# Allegro board IMX7D EVK BOARD REV D_160314.brd (continued)
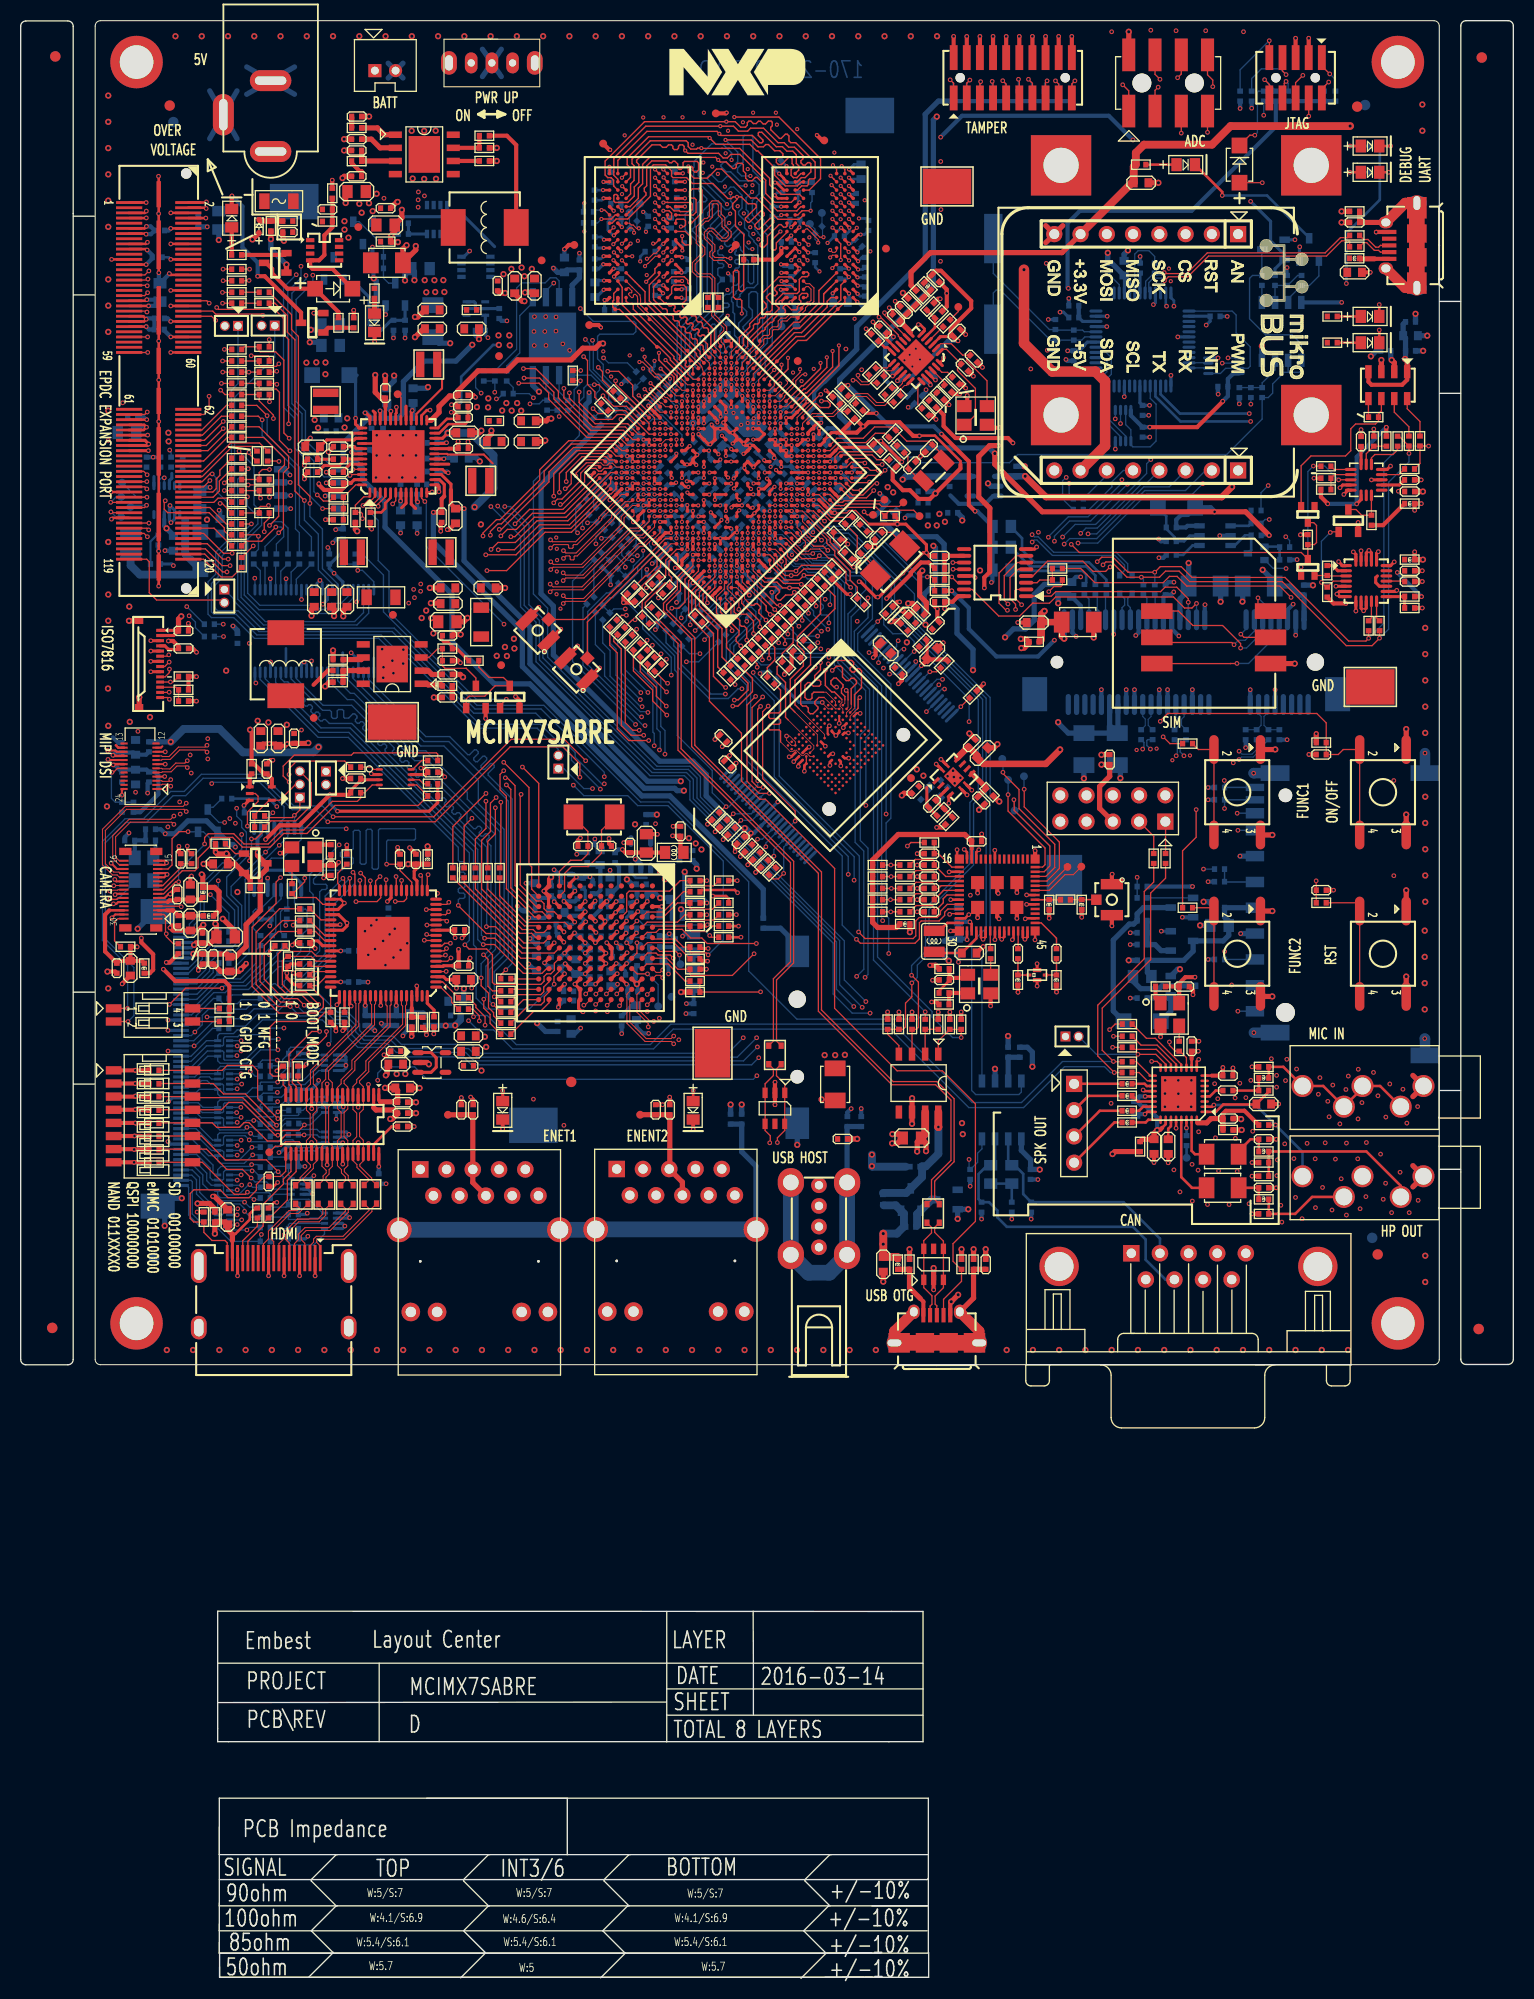
[diagram p0: board, top side]
## Routing (per net, layer and track width the routed paths; a pad name or vN(x,y) marks a point on that pad's centre or on a via; arc(x,y) is an arc through that point) (continued)
HDMI_I2CSDA: length 23.8
  TOP w0.127: U13.48 28.58,98.88 28.13,99.33 26.1,99.33 R581.2 25.56,99.76 24.88,99.08 24.88,96.03 25.82,95.09 27.21,95.09 v1(28.08,94.23) ; U15.18 26.14,86.23 25.94,86.43 25.94,89.38 28.15,91.59 v1(28.92,91.59)
  L6_INT_2 w0.127: v1(28.08,94.23) 28.92,93.39 v1(28.92,91.59)
HDMI_INT_B: length 63.9
  TOP w0.127: U13.52 29.51,96.88 28.66,96.02 R139.1 29.27,94.71 29.27,93.92 28.71,93.36 24.98,93.36 22.39,95.95 22.39,101.67 24.7,103.98 24.7,106.04 v1(25.13,106.47) ; v1(23.56,139.92) 23.56,140.76 24.03,141.24 R429.2
  L3_INT_1 w0.127: v1(23.56,139.92) 23.56,138.6 22.01,137.05 22.01,130.47 21.37,129.84 21.37,128.57 25.15,124.79 25.15,115.74 25.95,114.95 25.95,111.57 26.47,111.05 26.47,107.81 v1(25.13,106.47)
HDMI_IO_SEL: length 3.1
  TOP w0.305: U13.69 37.83,93.84
  TOP w0.406: R134.1 38.88,92.97 R136.2 37.83,92.98 37.83,93.84
HDMI_IOVCC: length 10.6
  TOP w0.305: U13.21 38.33,106.15 38.06,106.42 38.06,107.1 38.23,107.27 C217.1 ; U13.46 29.21,99.88 28.74,100.35 28.15,100.35 C216.1 ; 41.52,96.6 41.18,96.6 40.9,96.88 U13.3
  TOP w0.406: v1(42.15,95.77) 42.15,96.59 C218.1 41.52,96.6 ; v1(28.48,99.61) 27.96,100.14 C216.1
  TOP w0.508: L12.1 C217.1 v2(37.47,107.77)
HDMI_PCLK: length 56.8
  TOP w0.127: U13.22 37.83,106.02 36.7,107.15 C406.2 v1(35.39,107.77)
  BOTTOM w0.127: v1(35.39,107.77) 35.39,109.98 35.52,110.1 38.06,110.1 38.19,110.23 38.19,111.09 38.09,111.19 34.73,111.19 34.61,111.07 34.61,107.41 34.48,107.28 34.12,107.28 34,107.41 34,111.02 33.87,111.14 33.54,111.14 33.41,111.02 33.41,107.89 33.29,107.77 32.96,107.77 32.83,107.89 32.83,110.92 32.7,111.04 32.29,111.04 32.17,110.92 32.17,109.26 31.91,109.01 31.05,109.01 30.92,108.88 30.92,108.55 31.05,108.43 32.07,108.43 32.17,108.32 32.17,107.89 32.04,107.77 31.63,107.77 31.05,107.18 29.2,107.18 28.32,106.31 28.32,105.95 28.45,105.83 29.5,105.83 29.63,105.7 29.63,105.45 29.5,105.32 29.15,105.32 28.92,105.09 28.92,99.38 27.04,97.5 27.04,97.22 26.5,96.69 25.74,96.69 25.49,96.44 25.49,96.06 25.23,95.79 25.05,95.79 24.63,96.21 24.45,96.21 24.23,95.99 24.23,95.79 24.6,95.42 24.6,95.24 R137.2
HDMI_RST_B: length 105.9
  TOP w0.127: U13.51 28.26,97.38 R138.2 28.35,96.69 v1(28.66,96.69) ; v1(96.81,132.86) 96.14,133.53 96.14,134.19 96.29,134.34 U38.2
  L6_INT_2 w0.127: v1(96.81,132.86) 96.81,132.32 97.55,131.58 97.55,124.22 91.25,117.93 90.44,117.93 70.83,98.32 70.83,91.92 v1(69.89,90.98)
  BOTTOM w0.127: v1(69.89,90.98) 68.38,89.47 44.47,89.47 43.6,90.34 36.82,90.34 36.03,91.13 33.34,91.13 32.78,91.69 32.78,92.32 31.66,93.44 30.64,93.44 28.69,95.4 28.69,96.67 v1(28.66,96.69)
HDMI_SAI3_MCLK: length 100.6
  TOP w0.127: v1(27.47,106.42) 27.47,106.06 26.32,104.91 R476.2 26.62,104.54 28.56,104.54 29.22,103.88 U13.38
  L6_INT_2 w0.127: v1(27.47,106.42) 28.21,107.16 30.92,107.16 31.58,107.82 33.23,107.82 33.77,108.35 52.61,108.35 53.05,107.92 58.43,107.92 59.37,108.86 62.37,108.86 63.31,107.92 69.76,107.92 70.85,109.01 78.65,109.01 84.09,114.45 84.09,115.54 88.38,119.83 90,119.83 v1(91.73,121.56)
  BOTTOM w0.127: v1(91.73,121.56) 91.73,123.77 86.42,129.08 86.42,129.3 85.67,130.05 84.35,130.05 83.48,130.93 83.48,131.84 83.32,132 83.32,135.05 81.95,136.42 81.95,136.72 81.16,137.51 80.68,137.51 R111.2
HDMI_SAI3_TXC: length 2.4
  TOP w0.127: U13.45 29.39,100.38 28.51,101.26 R481.2
HDMI_SAI3_TXD: length 2.5
  TOP w0.127: R482.2 29.04,102.38 U13.41
HDMI_SAI3_TXFS: length 2.6
  TOP w0.127: U13.44 29.39,100.88 R484.2
HDMI_V12: length 4.1
  BOTTOM w0.508: v2(42.02,92.17) 41.13,92.17 v2(41.11,92.14) 41.09,92.16 40.2,92.16 L13.2
  BOTTOM w0.635: L11.2 42.55,92.7 v2(42.02,92.17)
HDMI_VSYNC: length 20.8
  TOP w0.127: v1(31.17,106.4) 31.33,106.25 U13.35
  BOTTOM w0.127: v1(31.17,106.4) 29.45,104.68 29.45,99.1 24.5,94.15 22.21,94.15 21.8,93.74 R179.2
HP_DETEC: length 14.4
  TOP w0.254: v1(115.4,84.47) 115.24,84.31 U24.2 ; v1(121.37,82.54) 121.36,82.53 R366.1
  BOTTOM w0.254: v1(115.4,84.47) 119.44,84.47 v1(121.37,82.54) 123.98,79.93 J15.5
HP_L: length 4.6
  TOP w0.254: C274.1 113.58,79.71 113.25,80.04 U24.31
HP_R: length 8.4
  TOP w0.254: U24.29 112.25,77.5 113.29,76.46 C275.1
HPOUTL: length 3.9
  TOP w0.254: C274.2 117.8,80.01 118.95,81.16 C369.1 L25.1
HPOUTR: length 3.1
  TOP w0.254: L26.1 C370.1 C275.2
HSIC_DATA: length 14.2
  TOP w0.127: U7.A12 54.81,131.19 J4.1
HSIC_STROBE: length 15.1
  TOP w0.127: U7.B12 62.36,139.29 54.51,131.44 J5.1
I2C1_SCL: length 99.2
  TOP w0.127: v1(31.85,145.37) 31.94,145.46 U4.46 ; U7.J2 72.46,137.69 72.86,137.3 72.86,136.76 73.93,135.69 v1(74.52,135.69) 75.11,135.69 75.74,136.32 77.47,136.32 R59.2
  L6_INT_2 w0.102: v1(74.52,135.69) 74.52,136.79 73.68,137.64 72,137.64 69.91,139.72 69.68,139.72 69.41,139.45 68.58,139.45 66.1,141.93 66.1,142.42 65.67,142.85 65.67,144.6 64.92,145.36 64.92,147.81 66,148.89 66,149.98 63.46,152.52 63.46,152.93 61.67,154.72 61.65,154.72
  L6_INT_2 w0.127: v1(27.6,164.71) 28.64,163.67 42.38,163.67 42.73,164.03 50.3,164.03 55.48,158.84 56.42,158.84 57.52,157.75 57.52,157.08 59.75,154.86 61.51,154.86 61.65,154.72
  BOTTOM w0.127: v1(27.6,164.71) 27.6,164.36 26.23,162.99 26.23,152.31 27.21,151.33 27.21,148.43 28.95,146.69 28.95,145.63 29.35,145.23 29.86,145.23 30.39,144.7 U41.6 31.17,144.7 v1(31.85,145.37)
I2C1_SDA: length 96.7
  TOP w0.127: U4.45 32.15,145.96 v1(32.14,145.95) ; U7.K1 73.16,137.51 73.16,136.88 73.91,136.13 v1(74.98,136.13) 75.54,136.68 R60.2
  L6_INT_2 w0.102: v1(74.98,136.13) 74.98,136.73 73.68,138.03 72.63,138.03 70.33,140.33 69.64,140.33 68.52,141.45 68.13,141.45 66.04,143.54 66.04,144.55 67.03,145.54 67.03,146.37 66.05,147.35 66.05,148.4 66.46,148.82 66.46,150.56 63.65,153.37 63.46,153.37 61.88,154.95
  L6_INT_2 w0.127: v1(28.26,164.74) 28.76,165.25 45.55,165.25 46.37,166.06 49.47,166.06 50.99,164.53 50.99,163.9 55.66,159.23 56.67,159.23 57.94,157.95 57.94,157.21 59.96,155.19 61.64,155.19 61.88,154.95
  BOTTOM w0.127: v1(28.26,164.74) 28.26,164 26.64,162.38 26.64,152.51 27.55,151.61 27.55,148.76 30.34,145.97 U41.5 32.12,145.97 v1(32.14,145.95)
I2C2_SCL: length 94.6
  TOP w0.102: v1(73.59,137.06) 73.59,137.06 73.54,137.11 73.54,137.67 72.98,138.23 U7.K2
  TOP w0.127: v1(136.17,148.21) R505.1 135.34,146.52 R501.1 ; v1(104.13,137.03) 104.56,137.46 105.65,137.46 107.1,136.01 v1(109.69,136.01) 110.22,136.54 112.25,136.54 113.3,135.5 122.29,135.5 128.44,129.35 130.11,129.35 v1(130.37,129.62) 130.38,129.62 R499.1
  L3_INT_1 w0.102: 76.01,136.21 75.67,136.55 74.77,136.55 74.26,137.06 v1(73.59,137.06)
  L3_INT_1 w0.127: v1(104.13,137.03) 103.75,137.41 92.62,137.41 90.31,135.1 87.03,135.1 86.8,135.32 82.64,135.32 82.03,135.93 76.29,135.93 76.01,136.21
  BOTTOM w0.102: 73.96,135.95 73.59,136.32 v1(73.59,137.06)
  BOTTOM w0.127: v1(136.17,148.21) 133.47,148.21 131.85,146.59 131.85,131.09 v1(130.37,129.62) ; v1(109.69,136.01) 109.7,136 R506.1 ; 73.96,135.95 R61.2
I2C2_SDA: length 93.1
  TOP w0.102: U7.K3 v3(71.91,138.22)
  TOP w0.127: v1(134.28,147.5) 134.27,147.5 134.27,148.21 R503.1 133.32,149.16 R502.1 ; R500.1 v1(131.43,129.63) 130.71,128.9 128.22,128.9 122.02,135.1 113.07,135.1 112.05,136.11 110.73,136.11 110.15,135.53 v1(108.39,135.53) 107,135.53 105.52,137 104.96,137 v1(104.68,136.72)
  L3_INT_1 w0.102: 74.19,135.38 73.47,136.1 73.47,136.56 71.92,138.12 v3(71.92,138.22)
  L3_INT_1 w0.127: 74.19,135.38 74.29,135.28 76.24,135.28 76.52,135.55 81.82,135.55 82.41,134.97 86.58,134.97 86.84,134.71 90.49,134.71 92.65,136.87 98.84,136.87 99.22,136.49 104.46,136.49 v1(104.68,136.72)
  BOTTOM w0.102: v3(71.92,138.22) 73.2,136.94 R62.2
  BOTTOM w0.127: v1(131.43,129.63) 132.31,130.5 132.31,144.71 134.28,146.68 v1(134.28,147.5) ; v1(108.39,135.53) 108.59,135.33 R504.1
I2C3_SCL: length 388.2
  TOP w0.127: R514.1 43.72,93.75 44.36,93.11 v1(44.36,92.6) ; R512.1 22.07,164.2 v1(22.09,164.23) ; v3(70.85,139.28) 70.85,139.28 U7.K5
  L3_INT_1 w0.127: v1(22.09,164.23) 21.56,163.7 18.97,163.7 17.72,162.44 17.72,153.82 16.45,152.55 16.45,146.09 13.4,143.05 13.4,139.26 12.69,138.55 12.69,134.23 13.4,133.52 13.4,123.62 17.46,119.55 17.46,115.84 18.55,114.75 18.55,110.36 19.33,109.58 19.33,106.38 v1(19.11,106.17) 18.96,106.01 18.96,104.72 18.5,104.26 17.44,104.26 15.35,102.18 14.34,102.18 13.58,101.42 13.58,100.45 12.03,98.9 12.03,77.84 19.7,70.17 26.88,70.17 30.16,73.45 30.16,80.82 32.19,82.85 33.72,82.85 38.52,87.65 39.76,87.65 44.36,92.25 v1(44.36,92.6)
  L6_INT_2 w0.127: v1(22.09,164.23) 21.65,164.66 21.65,165.79 22.84,166.97 38.47,166.97 39.18,167.68 51.34,167.68 53.55,165.47 53.55,164.66 58.21,160 80.57,160 95.87,144.7 100.62,144.7 101.1,145.18 v1(101.13,145.18) 101.54,145.18 101.99,144.72 106.03,144.72 107.12,143.63 119.85,143.63 121.74,141.74 121.74,126.6 122.39,125.95 122.39,120.8 118.17,116.58 115.3,116.58 112.71,113.99 112.71,111.08 111.63,110 98.54,110 96.66,111.88 86.77,111.88 81.11,106.22 v1(80.61,106.22)
  BOTTOM w0.102: v3(70.85,139.28) 70.85,138.73 70.48,138.35 70.48,138.06 71.24,137.3 71.24,136.98 71.01,136.75 71.01,136.36 71.61,135.76 71.61,135.27 ; 71.62,133.51 R63.2
  BOTTOM w0.127: R524.1 100.77,143.1 100.77,144.85 101.1,145.18 v1(101.13,145.18) ; 71.62,133.51 71.62,131.5 68.97,128.86 68.97,127.5 72.88,123.59 72.88,116.22 80.62,108.49 80.62,106.22 v1(80.61,106.22) ; 71.61,135.27 71.61,134.07 R63.2 ; v1(19.11,106.17) 19.11,104.9 20.69,103.32 20.69,100.86 R508.1
I2C3_SDA: length 383.1
  TOP w0.127: R510.1 22.13,165.32 v1(22.13,165.32) ; U7.K6 70.32,139.81 v3(70.32,139.81) ; v1(44.92,92.2) 44.92,93.01 44.03,93.9 44.03,94.13 R507.1
  L3_INT_1 w0.127: v1(22.13,165.32) 21.69,164.87 19.38,164.87 17.25,162.74 17.25,153.91 15.99,152.65 15.99,146.25 13.02,143.27 13.02,139.39 12.25,138.63 12.25,133.93 13.04,133.14 13.04,123.08 17,119.12 17,115.67 18.1,114.57 18.1,110.2 18.4,109.9 18.4,104.87 v1(18.35,104.82) 17.51,104.82 15.33,102.63 14.26,102.63 13.14,101.52 13.14,100.58 11.67,99.1 11.67,77.67 19.52,69.82 27.14,69.82 30.57,73.25 30.57,79.44 33.46,82.34 33.9,82.34 38.29,86.73 39.46,86.73 v1(44.92,92.2)
  L6_INT_2 w0.127: v1(22.13,165.32) 23.38,166.57 44.16,166.57 44.87,167.28 51.07,167.28 53.07,165.27 53.07,164.58 58.1,159.55 80.46,159.55 95.67,144.34 101.15,144.34 v1(101.41,144.6) 101.61,144.39 105.83,144.39 107.05,143.17 119.65,143.17 121.26,141.56 121.26,125.68 121.83,125.11 121.83,120.87 118.02,117.06 115.1,117.06 112.26,114.22 112.26,111.37 111.31,110.41 98.87,110.41 96.87,112.41 85.67,112.41 v1(80.04,106.78)
  BOTTOM w0.102: v3(70.32,139.81) 70.32,139.29 69.97,138.93 69.97,138.58 70.18,138.37 70.18,138.09 69.95,137.86 69.95,137.55 70.73,136.77 70.73,136.28 71.25,135.76
  BOTTOM w0.127: R509.1 20.14,103.03 v1(18.35,104.82) ; v1(101.41,144.6) 101.41,143.53 R523.1 ; 71.25,135.76 71.25,133.12 70.96,132.82 R64.2 71.11,132.19 71.11,131.49 68.61,128.99 68.61,127.28 70.6,125.28 70.6,117.95 80.04,108.51 v1(80.04,106.78)
I2C4_SCL: length 274.2
  TOP w0.102: U7.C12 v3(63.43,139.28)
  TOP w0.127: v1(25.96,116.44) 25.96,117 26.7,117.74 31.34,117.74 R516.1 ; R515.1 105.72,88.66 v1(105.7,88.68) 104.61,89.77 104.61,93.85 109.3,98.53 109.3,104.98 110.73,106.42 R518.1
  L3_INT_1 w0.127: v3(63.43,139.28) 62.42,138.27 60.39,138.27 v3(60.21,138.09) 59.42,138.09 58.63,137.31 58.63,137.03 58.94,136.72 58.94,134.33 57.8,133.19 57.8,127.04 56.37,125.62 56.37,121.23 55.54,120.39 55.54,116 47.48,107.94 47.48,98.9 46.24,97.66 46.24,96.82 43.75,94.33 43.75,93.06 v1(43.8,93.01) 43.88,92.93 43.88,92.32 40.52,88.97 39.03,88.97 38.11,88.06 33.64,88.06 30.75,85.16 28.15,85.16 26.66,83.66 26.66,74.06 23.63,71.04 21.02,71.04 18.15,73.91 18.15,75.35 12.76,80.74 12.76,98.34 17.61,103.19 18.63,103.19 19.82,104.39 19.82,105.53 21.25,106.95 21.25,109.59 20.23,110.61 v1(20.23,112.19) 19.37,113.05 19.37,122.14 18.58,122.93 18.58,128.39 19.62,129.43 v1(19.62,129.79)
  L6_INT_2 w0.127: v1(20.23,112.19) 20.28,112.19 20.77,112.67 22.19,112.67 v1(25.96,116.44)
  BOTTOM w0.102: 60.21,137.97 v3(60.21,138.09)
  BOTTOM w0.127: v1(19.62,129.79) R595.1 ; v1(43.8,93.01) 43.93,93.14 45.12,93.14 47.94,90.32 60.9,90.32 62.87,92.29 84.45,92.29 92.02,84.71 96.8,84.71 100.77,88.68 v1(105.7,88.68) ; 60.21,137.97 60.21,137.56 59.26,136.61 59.26,136.35 R337.1 58.51,135.61 R33.2
I2C4_SDA: length 290.6
  TOP w0.102: U7.D12 v3(63.96,139.81)
  TOP w0.127: R519.1 109.59,106.04 108.67,105.12 108.67,98.62 104.18,94.13 104.18,89.21 v1(105.78,87.62) R520.1 ; v1(25.97,115.72) 25.39,116.29 25.39,117.25 26.45,118.32 31.99,118.32 32.2,118.53 40.21,118.53 40.34,118.4 R521.1
  L3_INT_1 w0.102: 61.5,139.27 62.88,139.27 63.43,139.81 v3(63.96,139.81)
  L3_INT_1 w0.127: v1(19.59,130.98) 20.13,130.45 20.13,129.1 18.99,127.96 18.99,123.16 19.75,122.4 19.75,113.51 20.76,112.49 v1(20.76,111.73) 20.76,110.53 21.68,109.62 21.68,106.83 20.26,105.4 20.26,104.23 18.66,102.63 17.64,102.63 13.14,98.14 13.14,81.22 17.18,77.18 17.92,77.18 19.04,76.07 19.04,73.55 21.2,71.39 23.45,71.39 26.2,74.14 26.2,83.84 27.88,85.52 30.44,85.52 33.39,88.46 37.91,88.46 38.8,89.35 40.25,89.35 43.32,92.42 v1(43.32,92.63) 43.32,94.35 45.81,96.84 45.81,97.76 47.09,99.04 47.09,108.08 55.14,116.13 55.14,120.58 56.02,121.46 56.02,125.7 57.44,127.12 57.44,133.32 58.48,134.36 v1(58.48,136.49) 58.25,136.72 58.25,137.59 59.94,139.27 61.5,139.27
  L6_INT_2 w0.127: v1(25.97,115.72) 22.56,112.31 21.35,112.31 v1(20.76,111.73)
  BOTTOM w0.127: v1(43.32,92.63) 44.21,91.74 45.73,91.74 47.56,89.91 61.21,89.91 63.12,91.82 84.11,91.82 91.7,84.22 97,84.22 100.96,88.18 104.83,88.18 105.4,87.62 v1(105.78,87.62) ; R596.1 v1(19.59,130.98) ; R338.1 55.45,136.4 56.48,137.43 56.66,137.43 R34.2 57.41,137.59 57.59,137.59 58.48,136.7 v1(58.48,136.49)
IC_VSEL: length 3
  TOP w0.127: J18.12 15.01,124.89 R489.2 R490.1
IOX_SDI: length 20.2
  TOP w0.102: U7.R2 75.1,140.32 75.53,139.89 75.53,139.7 76.7,138.52
  TOP w0.127: v1(78.07,138.12) 78.04,138.12 77.63,138.52 76.7,138.52 ; v1(90.05,135.55) 90.62,134.99 U38.14
  L6_INT_2 w0.127: v1(78.07,138.12) 78.07,137.59 80.03,135.63 81.82,135.63 82.89,136.7 88.91,136.7 v1(90.05,135.55)
IOX_SHCP: length 19.4
  TOP w0.102: 78.11,139.44 75.61,141.94 U7.T3
  TOP w0.127: 78.11,139.44 78.29,139.25 78.29,138.91 79.06,138.14 79.06,137.81 80.38,136.49 v1(80.55,136.49) ; U38.11 v1(90.16,136.94)
  L6_INT_2 w0.127: v1(90.16,136.94) 89.72,137.38 82.28,137.38 81.32,136.42 80.63,136.42 v1(80.55,136.49)
IOX_STCP: length 19.6
  TOP w0.102: U7.T2 75.63,140.9 76.19,140.34 76.19,139.8 76.53,139.47 77.1,139.47 v1(77.46,139.11)
  TOP w0.127: U38.12 v1(90.18,136.29)
  L6_INT_2 w0.127: v1(77.46,139.11) 77.79,138.78 78.12,138.78 78.8,138.09 78.8,137.51 80.3,136.01 81.65,136.01 82.69,137.05 89.42,137.05 v1(90.18,136.29)
IPOD_RST_B: length 24.3
  TOP w0.127: R496.1 100.75,134.77 100.6,134.62 99.93,134.62 v1(99.44,134.13)
  L6_INT_2 w0.127: J20.8 98.26,119.26 98.26,132.95 v1(99.44,134.13)
JT_PWR: length 3.8
  TOP w0.127: v1(126.62,184.21) 125.85,184.97 J12.1
  BOTTOM w0.127: v1(126.62,184.21) 127.17,183.66 R171.1
JTAG_MOD: length 4.9
  TOP w0.127: R387.2 78.63,139.04 R174.1 78.13,140.35 77.75,140.35 U7.U1
JTAG_TCK: length 75.1
  TOP w0.102: U7.U5 74.57,143 v3(74.57,143)
  TOP w0.127: J12.4 v1(124.58,180.12)
  L3_INT_1 w0.127: v3(74.57,143) 75.1,143 77.72,140.38 83.86,140.38 95.74,152.26 95.74,154.65 100.04,158.95 100.04,164.23 103.85,168.04 103.85,169.23 110.63,176.02 116.22,176.02 119.59,179.39 123.86,179.39 v1(124.58,180.12)
JTAG_TDI: length 75.6
  TOP w0.102: v3(76.16,142.47) 76.16,142.47 U7.U3
  TOP w0.127: J12.8 122.21,182.05 122.21,183.31 v1(122.39,183.48)
  L3_INT_1 w0.127: v1(122.39,183.48) 115.89,176.98 110.3,176.98 104.11,170.8 99.43,170.8 98.49,169.86 98.49,158.68 94.87,155.07 94.87,152.44 83.74,141.3 78.44,141.3 77.87,141.87 76.75,141.87 v3(76.16,142.47)
  BOTTOM w0.127: v1(122.39,183.48) 122.59,183.28 R169.2
JTAG_TDO: length 81
  TOP w0.102: v3(74.57,144.06) 74.57,144.06 U7.U6
  TOP w0.127: J12.6 123.31,183.37 v1(124.01,184.07)
  L3_INT_1 w0.127: v3(74.57,144.06) 75.09,144.06 75.49,143.66 75.77,143.66 76.06,143.96 76.6,143.96 77.79,142.77 84.19,142.77 94.04,152.62 94.04,155.47 97.65,159.07 97.65,170.35 98.95,171.65 103.72,171.65 109.93,177.86 115.42,177.86 116.55,178.99 116.55,181.45 120.31,185.21 122.87,185.21 v1(124.01,184.07)
JTAG_TMS: length 82.7
  TOP w0.102: v3(75.63,143) 75.63,143 U7.U4
  TOP w0.127: v1(126.51,183.42) 125.85,182.76 J12.2
  L3_INT_1 w0.127: v3(75.63,143) 76.16,143 76.82,142.33 84.29,142.33 94.42,152.47 94.42,155.3 98.08,158.96 98.08,170.13 99.12,171.17 103.87,171.17 110.13,177.44 115.68,177.44 117.08,178.83 117.08,181.22 120.61,184.75 122.59,184.75 124.39,182.95 126.05,182.95 v1(126.51,183.42)
  BOTTOM w0.127: R170.2 126.06,182.97 v1(126.51,183.42)
JTAG_TRST_B: length 68.7
  TOP w0.127: v1(77.75,140.95) 77.75,140.94 77.68,140.94 76.68,141.94 U7.U2
  L3_INT_1 w0.127: v1(120.23,180.21) 119.75,180.21 116.04,176.5 110.46,176.5 104.37,170.41 102.07,170.41 101.28,169.63 101.28,166.41 98.92,164.05 98.92,158.49 95.32,154.9 95.32,152.36 83.92,140.95 v1(77.75,140.95)
  BOTTOM w0.127: R172.2 120.23,180.21 v1(120.23,180.21)
LCD1_CLK: length 9.5
  BOTTOM w0.127: J14.32 16.54,92.19 16.98,92.63 16.98,93.11 18.66,94.79 R176.2 19.17,94.7 19.59,94.28 20.97,94.28 21.35,94.66 23.05,94.66 R137.1
LCD1_DATA0: length 113
  TOP w0.102: U7.D21 v3(58.66,145.12)
  L3_INT_1 w0.102: v3(58.66,145.12) 58.15,145.12 56.87,146.4 54,146.4
  L3_INT_1 w0.127: 54,146.4 52.63,146.4 50.28,144.05 50.28,133.7 50.89,133.09 50.89,125.12 43.27,117.5 43.27,113.32 42.38,112.42 42.38,104.44 41.54,103.6 40.93,103.6 39.79,102.46 39.08,102.46 38.14,101.52 38.14,100.17 33.41,95.45 25.64,95.45 23.05,92.86 23.05,83.71 23.18,83.58 23.18,76.68 22.13,75.63 22.13,73.09 v1(23.28,71.95)
  BOTTOM w0.127: v1(23.28,71.95) 23.17,71.85 R196.2 20.32,71.28 19.06,72.54 RN13.1 17.22,72.85 16.24,73.83 16.24,76.5 16.05,76.69 J14.1
LCD1_DATA1: length 108.4
  TOP w0.127: v1(44.98,137.69) 47.91,137.69 50.47,140.25 53.21,140.25 57.02,144.06 U7.A22
  L3_INT_1 w0.127: v1(44.98,137.69) 41.9,134.61 41.9,129.34 34.93,122.37 34.93,111.36 34.34,110.78 34.34,109.23 32.66,107.55 31.7,107.55 29.6,105.45 26.45,105.45 19.24,98.24 19.24,97.02 18.48,96.26 18.48,92.75 17.31,91.59 17.31,78.89 19.49,76.7 19.49,73.63 20.74,72.38 v1(21.88,72.38)
  BOTTOM w0.127: J14.2 16.47,77.19 16.6,77.06 16.6,73.93 17.18,73.35 RN13.3 19.51,73.35 19.65,73.22 19.65,72.64 19.9,72.38 v1(21.88,72.38) 22.13,72.63 R195.2
LCD1_DATA2: length 106.6
  TOP w0.127: U7.B22 57.6,144.07 57.1,143.57 56.97,143.57 53.27,139.88 50.72,139.88 47,136.16 v1(45.1,136.16)
  L3_INT_1 w0.127: v1(45.1,136.16) 43.98,135.05 43.98,130.63 35.34,121.98 35.34,110.67 34.77,110.1 34.77,108.79 33.34,107.36 33.34,105.96 32.73,105.35 31.1,105.35 30.72,104.97 26.45,104.97 19.54,98.06 19.54,96.77 18.88,96.11 18.88,92.6 17.66,91.38 17.66,79.17 19.96,76.87 19.96,75.85 20.81,75 21.09,75 21.65,74.44 v1(21.65,74.19)
  BOTTOM w0.127: R199.2 22.21,73.63 v1(21.65,74.19) 21.65,74.44 21.2,74.9 19.85,74.9 19.62,74.67 19.62,73.98 19.49,73.85 RN13.5 18.71,73.85 17.99,74.57 17.99,74.87 17,75.86 17,77.24 16.55,77.69 J14.3
LCD1_DATA3: length 105
  TOP w0.127: v1(45.49,138.21) 46.16,138.88 47.84,138.88 49.94,140.98 52.92,140.98 U7.A23
  L3_INT_1 w0.127: v1(21.65,75.08) 21.25,75.48 20.9,75.48 20.4,75.99 20.4,77.17 17.99,79.57 17.99,91.2 19.24,92.45 19.24,94.89 20.13,95.78 20.13,98.06 23.2,101.14 27.55,101.14 31.25,104.84 33.18,104.84 34.3,105.96 34.3,107.59 35.22,108.51 35.22,109.79 35.81,110.37 35.81,121.87 44.44,130.5 44.44,134.79 45.71,136.06 45.71,138 v1(45.49,138.21)
  BOTTOM w0.127: R197.2 22.14,74.59 v1(21.65,75.08) 21.53,75.2 19.21,75.2 19.06,75.04 RN13.7 18.79,74.35 18.58,74.57 18.58,74.77 17.31,76.04 17.31,77.48 16.59,78.19 J14.4
LCD1_DATA4: length 105.1
  TOP w0.102: U7.C22 57.6,145.12 v3(57.6,145.12)
  L3_INT_1 w0.102: v3(57.6,145.12) 56.72,145.99 54,145.99
  L3_INT_1 w0.127: 54,145.99 52.77,145.99 50.64,143.87 50.64,133.89 51.24,133.29 51.24,124.89 43.66,117.3 43.66,113.04 42.79,112.18 42.79,103.53 41.95,102.69 40.93,102.69 39.69,101.44 39.05,101.44 38.57,100.96 38.57,99.92 33.72,95.07 25.74,95.07 23.38,92.7 23.38,83.94 23.53,83.79 23.53,76.29 v1(22.57,75.33)
  BOTTOM w0.127: R204.2 23.02,75.33 v1(22.57,75.33) 22.39,75.51 19.32,75.51 19.06,75.77 RN15.1 18.23,76.21 17.61,76.83 17.61,77.71 16.63,78.69 J14.5
LCD1_DATA5: length 103.7
  TOP w0.127: v1(46.19,138.17) 46.2,138.18 47.75,138.18 50.16,140.59 53.08,140.59 57.07,144.58 U7.B23
  L3_INT_1 w0.127: v1(46.19,138.17) 46.19,135.99 44.97,134.77 44.97,130.48 36.32,121.82 36.32,110.16 35.85,109.69 35.85,105.99 35.47,105.61 35.06,105.61 32.65,103.19 31.38,103.19 28.89,100.7 24.14,100.7 22.9,99.46 22.9,97.86 19.59,94.56 19.59,92.32 18.38,91.1 18.38,79.72 19.93,78.17 21.58,78.17 21.83,77.92 21.83,77.11 v1(22.16,76.78)
  BOTTOM w0.127: R203.2 22.42,76.51 v1(22.16,76.78) 22.06,76.78 21.07,75.79 19.72,75.79 19.62,75.89 19.62,76.6 19.51,76.71 RN15.3 18.44,76.71 17.99,77.16 17.99,77.87 16.68,79.19 J14.6
LCD1_DATA6: length 101.6
  TOP w0.127: v1(46.44,139.52) 47.08,140.15 47.94,140.15 49.5,141.71 52.59,141.71 U7.A24
  L3_INT_1 w0.127: v1(22.39,78.1) 22.19,78.1 21.78,78.5 20.15,78.5 18.73,79.93 18.73,90.98 19.95,92.2 19.95,94.25 24.83,99.13 29.25,99.13 35.32,105.2 36.56,105.2 37.35,105.99 37.35,106.77 36.93,107.19 36.93,119.11 43.5,125.67 43.5,128.29 45.45,130.24 45.45,134.69 46.7,135.93 46.7,138.68 46.44,138.93 v1(46.44,139.52)
  BOTTOM w0.127: J14.7 17.01,79.69 18.32,78.38 18.32,77.44 18.55,77.21 RN15.5 19.52,77.21 19.62,77.31 19.62,78 19.8,78.17 22.31,78.17 v1(22.39,78.1) 22.59,78.1 R206.2
LCD1_DATA7: length 114
  TOP w0.102: U7.F20 v3(60.25,145.65)
  L3_INT_1 w0.102: 55.99,149.05 59.61,149.05 59.85,149.29 60.31,149.29 61.17,148.42 61.17,148.15 60.9,147.87 60.9,147.64 61.2,147.34 61.2,147.11 60.9,146.81 60.9,146.6 61.16,146.34 61.16,146.01 60.79,145.65 v3(60.25,145.65)
  L3_INT_1 w0.127: v1(22.34,78.71) 22.19,78.86 20.38,78.86 19.06,80.18 19.06,90.8 20.33,92.07 20.33,94.15 24.98,98.8 29.48,98.8 35.55,104.87 36.77,104.87 37.73,105.84 37.73,107.13 38.08,107.48 38.08,119.62 43.98,125.52 43.98,128.16 45.93,130.12 45.93,134.49 47.1,135.65 47.1,138.86 46.93,139.03 46.93,141.17 47.92,142.16 47.92,145.08 51.89,149.05 55.99,149.05
  BOTTOM w0.127: J14.8 17.07,80.19 18.6,78.66 18.6,77.92 18.81,77.71 RN15.7 19.06,78.22 19.37,78.53 22.16,78.53 v1(22.34,78.71) 22.93,78.71 R205.2
LCD1_DATA8: length 103.1
  TOP w0.102: U7.E21 v3(59.19,145.65)
  L3_INT_1 w0.102: v3(59.19,145.65) 59.05,145.79 59.05,146.34 57.78,147.61 54.54,147.61
  L3_INT_1 w0.127: 54.54,147.61 52.1,147.61 49.11,144.62 49.11,127.52 41.99,120.39 41.99,114.07 41.15,113.24 41.15,106.39 36.84,102.08 36.84,101.44 32.52,97.12 28,97.12 27.32,96.44 25.16,96.44 22.08,93.36 22.08,88.54 21.78,88.23 21.78,87.32 22.11,86.99 22.11,82.75 22.85,82.01 22.85,80.05 v1(22.44,79.65)
  BOTTOM w0.127: R208.2 22.95,79.65 v1(22.44,79.65) 21.63,78.83 19.32,78.83 19.06,79.09 RN14.1 18.17,79.57 16.56,81.19 J14.10
LCD1_DATA9: length 101.2
  TOP w0.127: v1(47.41,139.44) 47.42,139.45 47.8,139.45 49.68,141.33 52.75,141.33 57.07,145.65 U7.C23
  L3_INT_1 w0.127: v1(22.36,80.38) 21.14,79.17 20.64,79.17 19.42,80.38 19.42,90.62 20.71,91.92 20.71,94.05 25.13,98.47 30.69,98.47 32.78,100.55 32.78,101.49 34.81,103.52 36.21,103.52 38.21,105.53 38.21,106.95 38.52,107.26 38.52,113.44 39.38,114.3 39.38,120.26 44.44,125.32 44.44,127.98 47.53,131.07 47.53,139.32 v1(47.41,139.44)
  BOTTOM w0.127: J14.11 16.85,81.69 18.46,80.07 RN14.3 19.5,80.07 19.65,79.93 19.65,79.27 19.79,79.13 21.11,79.13 v1(22.36,80.38) 22.38,80.4 R207.2
LCD1_DATA10: length 99.4
  TOP w0.127: v1(47.81,140.68) 49.21,142.08 52.44,142.08 55.87,145.51 56.39,145.51 U7.B24
  L3_INT_1 w0.127: v1(47.81,140.68) 47.92,140.58 47.92,130.85 44.94,127.88 44.94,125.22 39.86,120.13 39.86,106.59 36.26,102.99 35.8,102.99 30.95,98.14 25.28,98.14 21.07,93.92 21.07,91.66 19.77,90.37 19.77,82.8 21.07,81.5 21.7,81.5 v1(22.11,81.1)
  BOTTOM w0.127: J14.12 16.95,82.19 18.57,80.57 RN14.5 19.53,80.57 19.62,80.66 19.62,81.35 19.77,81.5 21.7,81.5 v1(22.11,81.1) 22.29,80.92 24.9,80.92 25.58,81.59 R210.2
LCD1_DATA11: length 105.6
  TOP w0.102: U7.G20 60.78,146.18 v3(60.78,146.18)
  L3_INT_1 w0.102: 55.62,148.68 59.87,148.68 60.62,147.93 60.62,147.62 60.41,147.41 60.41,147.08 60.62,146.88 60.62,146.34 v3(60.78,146.18)
  L3_INT_1 w0.127: v1(22.24,81.73) 22.11,81.86 21.2,81.86 20.13,82.92 20.13,90.21 21.4,91.48 21.4,93.72 25.44,97.76 31.18,97.76 35.95,102.53 36.28,102.53 40.38,106.63 40.38,120.02 48.29,127.93 48.29,144.93 52.04,148.68 55.62,148.68
  BOTTOM w0.127: R209.2 22.53,81.44 v1(22.24,81.73) 22.19,81.78 19.24,81.78 19.06,81.6 RN14.7 18.57,81.07 16.95,82.69 J14.13
LCD1_DATA12: length 105
  TOP w0.102: 60.25,146.18 59.72,146.18 v3(59.72,146.18)
  L3_INT_1 w0.102: v3(59.72,146.18) 59.86,146.32 59.86,146.85 60.1,147.09 60.1,147.38 59.3,148.17 55.11,148.17
  L3_INT_1 w0.127: v1(21.88,82.31) 21.78,82.42 21.78,84.5 20.48,85.79 20.48,87.85 21.78,89.15 21.78,93.64 24.93,96.79 27.24,96.79 27.9,97.45 31.43,97.45 36.1,102.13 36.41,102.13 40.77,106.49 40.77,113.54 41.57,114.34 41.57,120.57 48.69,127.7 48.69,144.76 52.1,148.17 55.11,148.17
  BOTTOM w0.127: J14.14 16.97,83.19 17.42,82.74 19.06,82.74 19.06,82.27 19.26,82.06 21.63,82.06 v1(21.88,82.31) 22.47,82.31 22.72,82.06 24.95,82.06 25.58,82.68 R211.2
